# Altium PCB 2.PcbDoc (part 2 of 2) (continued)
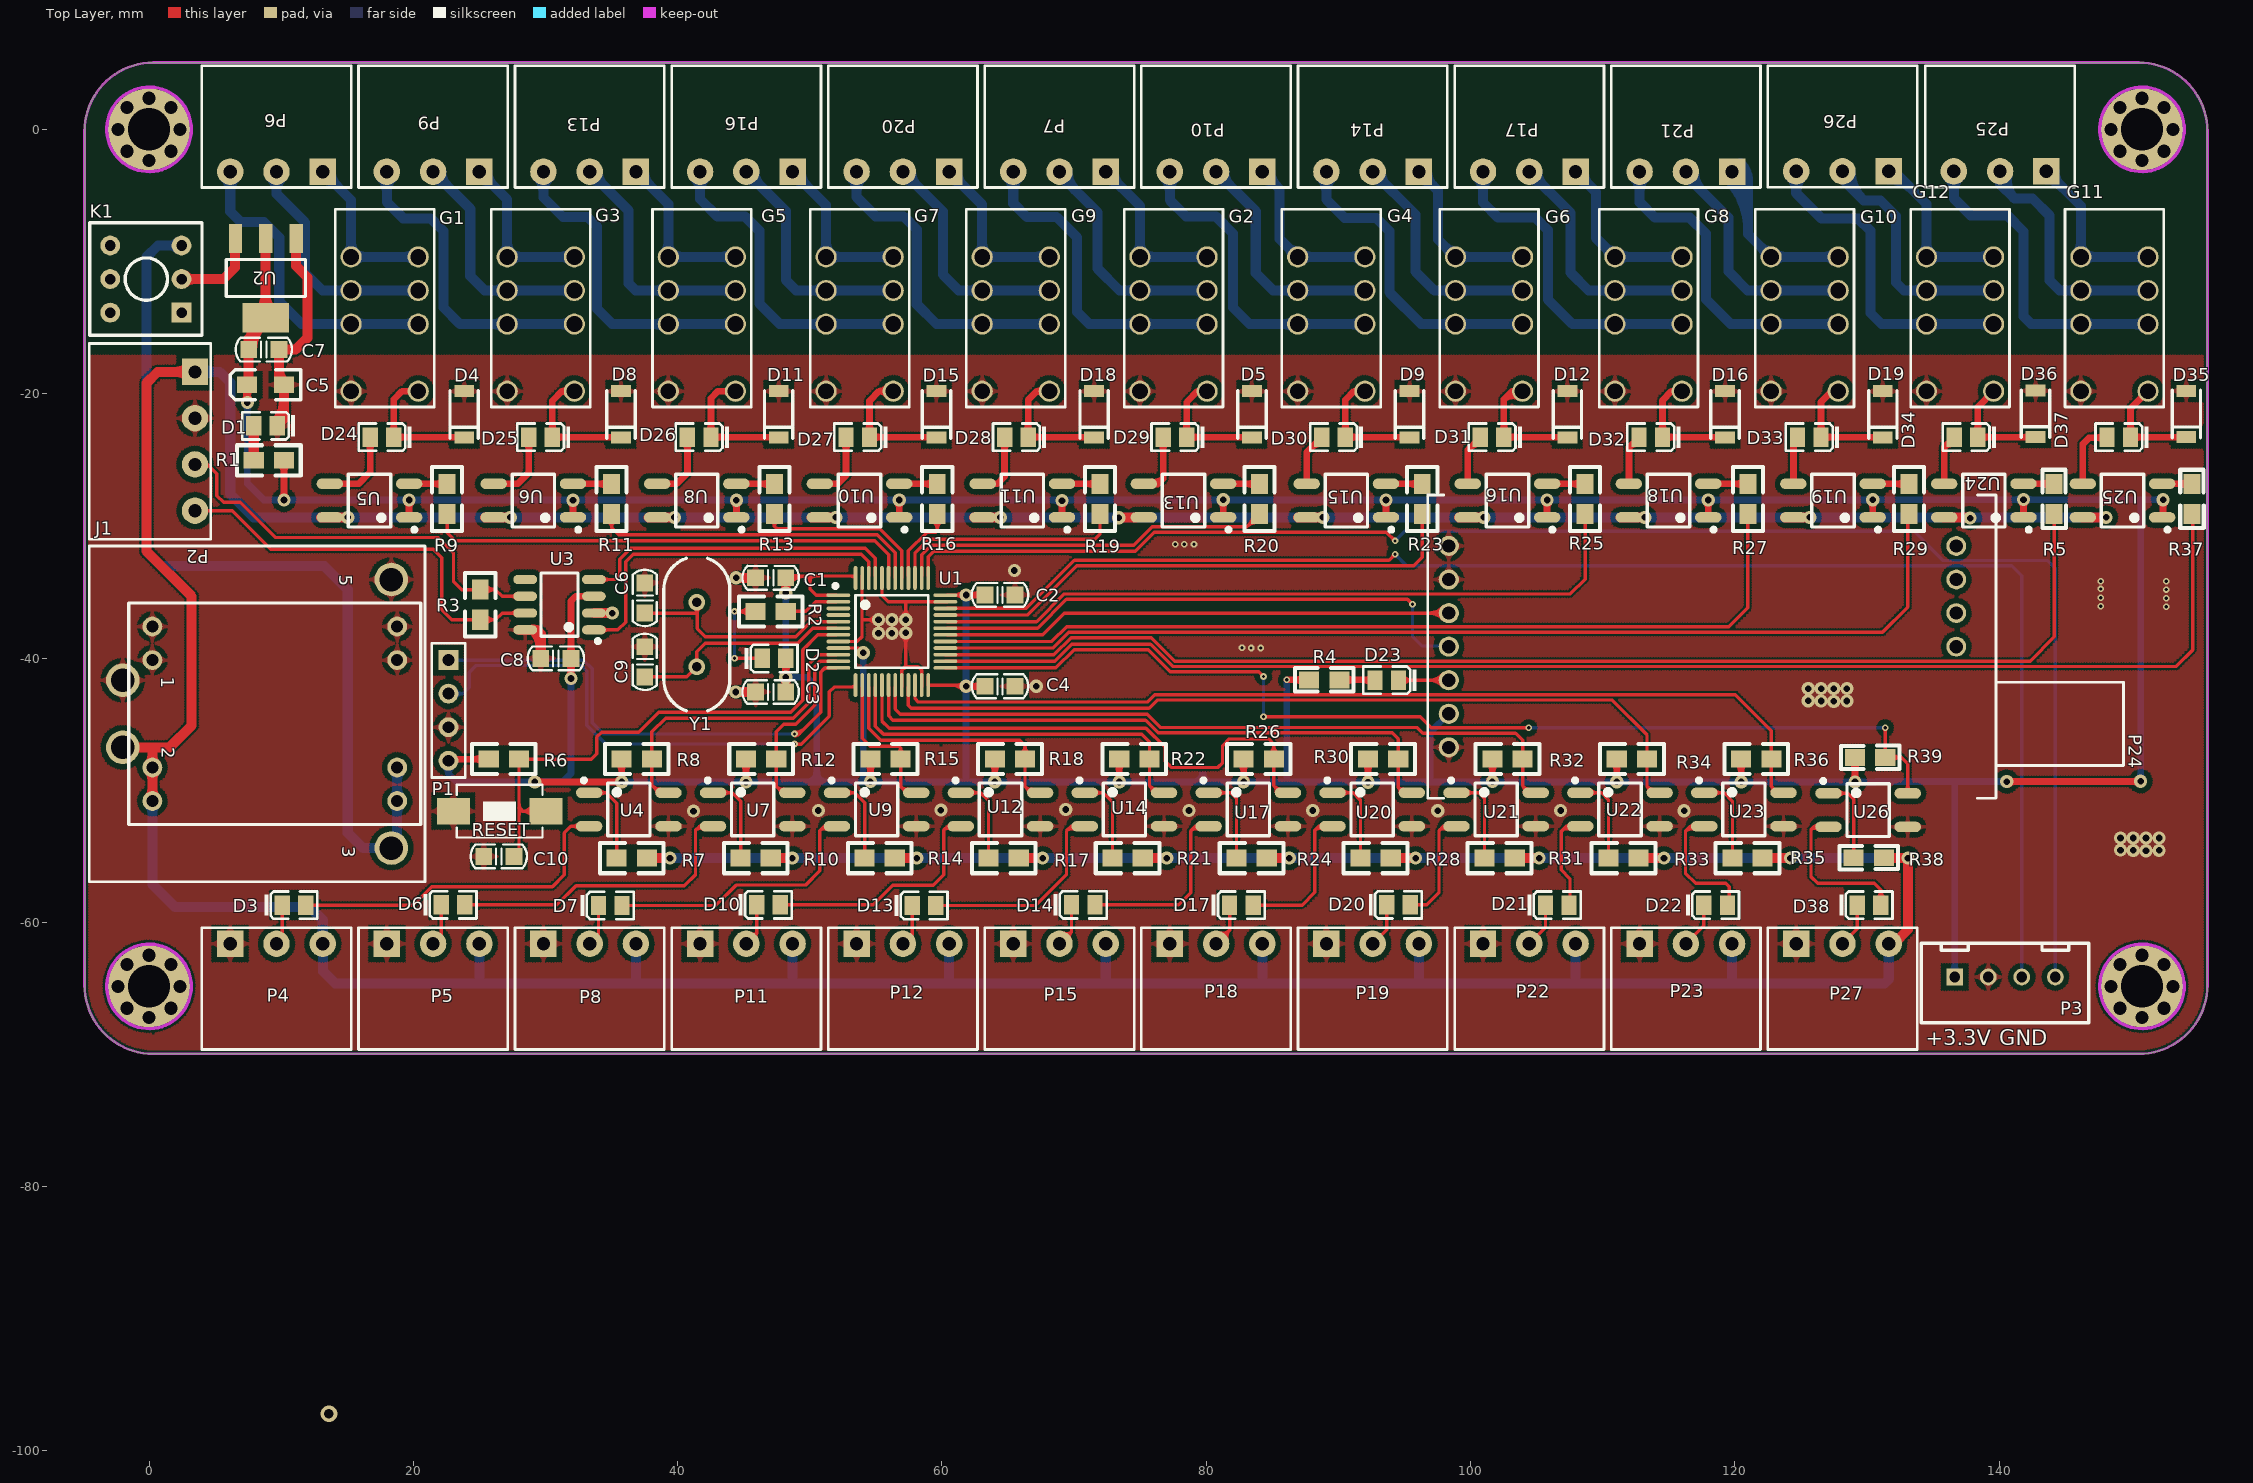
[diagram p0: Top Layer view]
## Nets (pads, with @x,y where several pads share a name; then routed paths per layer and width w, separated by ;. In a path a pad name is that pad's centre, name@x,y a point inside that pad or via, vN(x,y) a via of type N, cw(c..) or ccw(c..) an arc to the next point about the centre after c; other vN are vias at no path point) (continued)
OPEN_9: G10.5 G10.8 P21.1 | length 27.4
  Bottom Layer w0.762: P21.1@119.351,-3.638 cw(c115.382,-7.607) 120.995,-7.607 ; P21.1@119.89,-3.099 cw(c117.221,-5.768) 120.995,-5.768 ; P21.1@119.982,-3.789 cw(c120.292,-4.734) 120.995,-4.03 ; P21.1@120.165,-3.2 120.995,-4.03 ; P21.1@120.429,-2.56 cw(c119.061,-3.928) 120.995,-3.928 ; G10.5@122.314,-9.652 ccw(c121.302,-9.652) 122.018,-8.937 ccw(c122.733,-8.221) G10.5@122.733,-9.233 ; G10.5@123.029,-9.948 cw(c123.744,-10.664) 123.744,-9.652 cw(c123.744,-8.64) G10.5@123.029,-9.356 ; G10.8@127.517,-9.948 ccw(c126.801,-10.664) 126.801,-9.652 ccw(c126.801,-8.64) G10.8@127.517,-9.356 ; G10.8@127.813,-9.652 G10.5@122.733,-9.652 120.995,-7.914 120.995,-4.03
OPEN_10: G12.5 G12.8 P26.1 | length 19.2
  Bottom Layer w0.762: P26.1@131.638,-3.794 cw(c131.638,-6.208) 133.345,-4.501 ; P26.1@132.019,-3.175 134.493,-5.649 G12.5@134.493,-9.652 G12.8@139.573,-9.652 ; G12.5@134.197,-9.356 ccw(c133.481,-8.64) 134.493,-8.64 ccw(c135.505,-8.64) 134.789,-9.356 ccw(c135.505,-8.64) 135.505,-9.652 ccw(c135.505,-10.664) G12.5@134.789,-9.948 ; G12.8@139.277,-9.948 ccw(c138.561,-10.664) 138.561,-9.652 ccw(c138.561,-8.64) G12.8@139.277,-9.356
OPEN_11: G11.5 G11.8 P25.1 | length 20.4
  Bottom Layer w0.762: P25.1@143.561,-3.794 cw(c143.561,-5.288) 144.617,-4.232 cw(c145.674,-3.175) P25.1@144.18,-3.175 ; P25.1@144.221,-3.175 P25.1@143.561,-3.175 146.177,-5.791 G11.5@146.177,-9.652 G11.8@151.257,-9.652 ; G11.5@145.881,-9.356 ccw(c145.165,-8.64) 146.177,-8.64 ccw(c147.189,-8.64) 146.473,-9.356 ccw(c147.189,-8.64) 147.189,-9.652 ccw(c147.189,-10.664) G11.5@146.473,-9.948 ; G11.8@150.961,-9.948 ccw(c150.245,-10.664) 150.245,-9.652 ccw(c150.245,-8.64) G11.8@150.961,-9.356
U1_RX: P24.4 U1.31 | length 42.7
  Top Layer w0.254: U1.31@60.41,-37.748 67.23,-37.748 69.418,-35.56 95.225,-35.56 v2(95.606,-35.941) ; v2@95.483,-35.941 ccw(c95.186,-35.941) 95.396,-35.731 ccw(c95.606,-35.521) v2@95.606,-35.818
  Bottom Layer w0.254: v2@95.519,-36.028 cw(c95.309,-36.238) 95.606,-36.238 cw(c95.903,-36.238) v2@95.693,-36.028 ; v2(95.606,-35.941) 95.606,-38.379 96.317,-39.091 98.298,-39.091 P24.4@98.349,-39.141
U1_TX: P24.5 U1.30 | length 42.5
  Top Layer w0.254: U1.30@60.41,-38.248 67.619,-38.248 69.266,-36.601 P24.5@98.349,-36.601 ; P24.5@97.9,-37.05 ccw(c96.816,-38.134) 96.816,-36.601 ccw(c96.816,-35.068) P24.5@97.9,-36.152 ; P24.5@98.079,-36.871 ccw(c97.429,-37.521) 97.429,-36.601 ccw(c97.429,-35.682) P24.5@98.079,-36.332
U2_RX: P1.2 U1.13 | length 42.8
  Top Layer w0.254: v2@48.844,-46.522 49.348,-46.522 51.479,-44.391 51.479,-42.551 51.832,-42.198 U1.13@53.46,-42.198 ; v2@48.931,-46.594 cw(c49.105,-46.768) 49.105,-46.522 ; v2@48.931,-46.42 ccw(c49.177,-46.174) 49.177,-46.522 ; 53.067,-42.198 ccw(c53.067,-41.655) U1.13@53.451,-42.039
  Bottom Layer w0.254: P1.2@22.657,-42.697 23.749,-42.697 ; P1.2@23.193,-43.015 cw(c23.749,-43.343) 23.749,-42.697 ; P1.2@23.193,-42.38 ccw(c23.749,-42.052) 23.749,-42.697 ; v2@48.757,-46.594 ccw(c48.547,-46.804) 48.547,-46.507 ccw(c48.547,-46.21) v2@48.757,-46.42 ; v2(48.844,-46.507) 34.553,-46.507 33.122,-45.076 33.122,-40.986 32.699,-40.564 24.765,-40.564 24.232,-41.097 24.232,-42.215 23.749,-42.697
U2_TX: P1.1 U1.12 | length 40.7
  Top Layer w0.254: v2@48.844,-45.876 ccw(c48.844,-45.334) 49.228,-45.718 ; v2(48.844,-45.745) 49.2,-45.745 50.825,-44.12 50.825,-41.072 51.149,-40.748 U1.12@52.01,-40.748 ; v2@48.844,-45.622 ccw(c48.844,-44.467) 49.661,-45.284 ; v2@48.931,-45.832 cw(c49.141,-46.042) 49.141,-45.745 cw(c49.141,-45.448) v2@48.931,-45.658 ; 50.949,-40.948 cw(c51.4,-41.4) U1.12@51.4,-40.761
  Bottom Layer w0.254: P1.1@22.657,-40.157 32.868,-40.157 33.528,-40.818 33.528,-44.907 34.366,-45.745 v2(48.844,-45.745) ; v2@48.757,-45.832 ccw(c48.547,-46.042) 48.547,-45.745 ccw(c48.547,-45.448) v2@48.757,-45.658
VCC: J1.3 K1.3 | length 75.8
  Bottom Layer w0.762: K1.3@2.203,-9.049 ccw(c1.573,-9.679) 1.573,-8.788 ccw(c1.573,-7.898) K1.3@2.203,-8.527 ; K1.3@2.464,-8.788 0.686,-8.788 -0.203,-9.677 -0.203,-31.902 0.94,-33.045 13.259,-33.045 15.037,-34.823 15.037,-53.238 16.18,-54.381 J1.3@18.339,-54.381 18.778,-53.942 J1.3@18.778,-50.825 J1.3@18.778,-48.285 ; J1.3@18.517,-51.086 cw(c17.887,-51.716) 18.778,-51.716 cw(c19.669,-51.716) J1.3@19.039,-51.086 ; J1.3@18.517,-50.564 ccw(c17.887,-49.935) 18.778,-49.935 ccw(c19.669,-49.935) J1.3@19.039,-50.564 ; J1.3@18.517,-48.546 cw(c17.887,-49.176) 18.778,-49.176 cw(c19.669,-49.176) J1.3@19.039,-48.546
VCC3.3: C1.1 C2.1 C3.1 C4.1 C5.1 C7.2 C8.1 D2.A P1.4 P3.1 P24.2 R1.1 R4.1 R6.2 R8.2 R12.2 R15.2 R18.2 R22.2 R26.2 R30.2 R32.2 R34.2 R36.2 R39.2 U1.1 U1.9 U1.24 U1.36 U1.48 U2.2 U3.3 U5.1 U6.1 U8.1 U10.1 U11.1 U13.1 U15.1 U16.1 U18.1 U19.1 U24.1 U25.1 | length 613.5
  Top Layer w0.254: C1.1@48.184,-33.934 48.32,-33.798 50.013,-33.798 ; C1.1@48.363,-34.114 cw(c49.125,-34.876) 49.125,-33.798 ; C1.1@48.543,-34.294 cw(c49.739,-35.489) 49.739,-33.798 ; C1.1@48.543,-33.575 ccw(c49.082,-33.036) 49.082,-33.798 ; U1.9@52.01,-39.248 53.701,-39.248 v1(54.051,-39.599) ; U1.1@52.01,-35.248 50.488,-35.248 50.013,-34.773 50.013,-33.798 ; 53.067,-33.798 cw(c53.067,-34.342) U1.48@53.451,-33.958 ; U1.48@53.46,-33.798 50.013,-33.798 ; U1.24@58.96,-41.421 U1.24@58.96,-42.048 61.733,-42.048 v1(61.824,-42.139) ; U1.36@60.41,-35.248 C2.1@62.745,-35.248 ; 60.705,-42.048 cw(c60.705,-43.257) v1@61.56,-42.402 ; U1.36@60.878,-35.248 ccw(c60.878,-34.284) v1@61.56,-34.966 ; U1.36@60.968,-35.248 cw(c60.968,-36.085) v1@61.56,-35.494 ; 61.141,-42.048 ccw(c61.141,-41.456) v1@61.56,-41.875 ; 61.319,-42.048 cw(c61.319,-42.644) v1@61.739,-42.223 ; v1@61.975,-35.248 ccw(c61.975,-33.958) C2.1@62.887,-34.871 ; v1@62.064,-35.248 cw(c62.064,-36.411) C2.1@62.887,-35.589 ; v1@62.075,-35.505 cw(c62.434,-35.898) 62.572,-35.384 cw(c62.747,-34.731) v1@62.152,-35.053 ; v1@62.087,-35.494 cw(c62.679,-36.085) C2.1@62.679,-35.248 ; v1@62.092,-34.971 ccw(c62.745,-34.342) C2.1@62.745,-35.248 ; v1@62.098,-34.977 ccw(c62.413,-34.688) 62.524,-35.101 ccw(c62.675,-35.664) v1@62.156,-35.399 ; 62.588,-35.248 ccw(c62.588,-34.572) C2.1@63.066,-35.05 ; C2.1@62.789,-35.204 C2.1@62.745,-35.248
  Top Layer w0.508: C5.1@7.147,-19.599 cw(c6.436,-20.311) v1@7.442,-20.311 ; v1@7.244,-20.53 ccw(c6.708,-20.137) 7.35,-19.965 ; v1@7.268,-20.502 ccw(c6.848,-20.082) 7.442,-20.082 ccw(c8.036,-20.082) v1@7.616,-20.502 ; v1(7.442,-20.676) 7.442,-19.431 C5.1@7.544,-19.329 ; v1@7.442,-20.188 cw(c8.275,-20.188) C5.1@7.686,-19.599 ; 7.497,-19.983 ccw(c8.046,-20.13) v1@7.625,-20.511 ; R1.1@9.941,-25.314 cw(c9.291,-25.964) 10.211,-25.964 cw(c11.131,-25.964) R1.1@10.48,-25.314 ; v1@10.037,-27.868 ccw(c9.617,-27.448) 10.211,-27.448 ccw(c10.805,-27.448) v1@10.385,-27.868 ; v1(10.211,-28.042) R1.1@10.211,-25.044 ; v1@19.506,-28.22 cw(c19.086,-28.64) 19.68,-28.64 cw(c20.274,-28.64) v1@19.854,-28.22 ; U5.1@19.68,-29.362 v1(19.68,-28.046) ; P1.4@22.657,-47.777 22.784,-47.65 R6.2@25.705,-47.65 ; R6.2@25.308,-47.92 ccw(c24.658,-48.57) 24.658,-47.65 ccw(c24.658,-46.731) R6.2@25.308,-47.381 ; v1(29.185,-49.378) v1(35.763,-49.378) R8.2@35.763,-47.65 ; v1@29.359,-49.552 cw(c29.778,-49.971) 29.778,-49.378 cw(c29.778,-48.784) v1@29.359,-49.204 ; C8.1@31.658,-40.3 cw(c31.008,-40.95) 31.928,-40.95 cw(c32.848,-40.95) C8.1@32.197,-40.3 ; C8.1@31.658,-39.761 ccw(c31.008,-39.111) 31.928,-39.111 ccw(c32.848,-39.111) C8.1@32.197,-39.761 ; v1@31.754,-41.38 ccw(c31.334,-40.961) 31.928,-40.961 ccw(c32.522,-40.961) v1@32.102,-41.38 ; v1@31.906,-28.241 cw(c31.486,-28.661) 32.08,-28.661 cw(c32.674,-28.661) v1@32.254,-28.241 ; v1(31.928,-41.554) C8.1@31.928,-40.03 31.928,-35.687 32.283,-35.331 U3.3@33.664,-35.331 ; U6.1@32.08,-29.362 v1(32.08,-28.067) ; R8.2@35.494,-47.92 cw(c34.843,-48.57) 35.763,-48.57 cw(c36.683,-48.57) R8.2@36.033,-47.92 ; v1@35.589,-49.552 ccw(c35.169,-49.971) 35.169,-49.378 ccw(c35.169,-48.784) 35.589,-49.204 ccw(c35.169,-48.784) 35.763,-48.784 ccw(c36.357,-48.784) v1@35.937,-49.204 ; v1@44.271,-28.236 cw(c43.851,-28.656) 44.445,-28.656 cw(c45.039,-28.656) v1@44.619,-28.236 ; U8.1@44.445,-29.362 v1(44.445,-28.062) ; R12.2@44.906,-47.92 cw(c44.255,-48.57) 45.175,-48.57 cw(c46.095,-48.57) R12.2@45.445,-47.92 ; v1@45.001,-49.218 ccw(c44.581,-48.798) 45.175,-48.798 ccw(c45.769,-48.798) v1@45.349,-49.218 ; v1(45.175,-49.392) R12.2@45.175,-47.65 ; C3.1@47.914,-42.301 ccw(c47.264,-41.651) 48.184,-41.651 ccw(c49.104,-41.651) C3.1@48.453,-42.301 ; C1.1@47.914,-34.204 cw(c47.264,-34.854) 48.184,-34.854 cw(c49.104,-34.854) C1.1@48.453,-34.204 ; D2.A@47.954,-40.416 cw(c47.4,-40.97) v1@48.184,-40.97 ; v1@47.994,-41.609 cw(c47.634,-41.904) C3.1@48.084,-42.025 ; v1@47.994,-34.921 ccw(c47.621,-34.616) C1.1@48.086,-34.491 ; v1@48.007,-41.282 ccw(c47.634,-40.922) 48.135,-40.787 ; v1@48.01,-41.627 cw(c47.59,-42.047) 48.184,-42.047 cw(c48.778,-42.047) v1@48.358,-41.627 ; v1@48.01,-41.279 ccw(c47.59,-40.859) 48.184,-40.859 ccw(c48.778,-40.859) v1@48.358,-41.279 ; v1@48.01,-34.903 ccw(c47.59,-34.484) 48.184,-34.484 ccw(c48.778,-34.484) v1@48.358,-34.903 ; C3.1@48.184,-42.57 v1(48.184,-41.453) D2.A@48.185,-40.03 ; v1@48.184,-40.975 cw(c48.974,-40.975) D2.A@48.415,-40.416 ; v1(48.184,-35.077) C1.1@48.184,-33.934 ; 48.234,-40.787 ccw(c48.738,-40.922) v1@48.361,-41.283 ; C1.1@48.281,-34.491 ccw(c48.747,-34.616) v1@48.374,-34.921 ; C3.1@48.284,-42.025 cw(c48.734,-41.904) v1@48.374,-41.609 ; R15.2@54.318,-47.92 cw(c53.668,-48.57) 54.587,-48.57 cw(c55.507,-48.57) R15.2@54.857,-47.92 ; v1@54.413,-49.181 ccw(c53.994,-48.761) 54.587,-48.761 ccw(c55.181,-48.761) v1@54.761,-49.181 ; v1(54.587,-49.355) R15.2@54.587,-47.65 ; v1@56.59,-28.22 cw(c56.17,-28.64) 56.764,-28.64 cw(c57.358,-28.64) v1@56.938,-28.22 ; U10.1@56.764,-29.362 v1(56.764,-28.046) ; v1(61.824,-42.139) C4.1@63.246,-42.139 ; v1@61.998,-42.313 cw(c62.417,-42.732) 62.417,-42.139 cw(c62.417,-41.545) v1@61.998,-41.965 ; C4.1@62.977,-42.408 ccw(c62.326,-43.058) 62.326,-42.139 ccw(c62.326,-41.219) C4.1@62.977,-41.869 ; R18.2@63.73,-47.92 cw(c63.08,-48.57) 64,-48.57 cw(c64.919,-48.57) R18.2@64.269,-47.92 ; v1@63.826,-49.187 ccw(c63.406,-48.767) 64,-48.767 ccw(c64.593,-48.767) v1@64.173,-49.187 ; v1(64,-49.361) R18.2@64,-47.65 ; v1@68.909,-28.266 cw(c68.489,-28.686) 69.083,-28.686 cw(c69.677,-28.686) v1@69.257,-28.266 ; U11.1@69.083,-29.362 v1(69.083,-28.092) v1@69.083,-28.046 ; R22.2@73.142,-47.92 cw(c72.492,-48.57) 73.412,-48.57 cw(c74.331,-48.57) R22.2@73.681,-47.92 ; v1@73.238,-49.209 ccw(c72.818,-48.789) 73.412,-48.789 ccw(c74.006,-48.789) v1@73.586,-49.209 ; v1(73.412,-49.383) R22.2@73.412,-47.65 R22.2@73.457,-47.696 ; v1@81.101,-28.195 cw(c80.681,-28.615) 81.275,-28.615 cw(c81.869,-28.615) v1@81.449,-28.195 ; U13.1@81.275,-29.362 v1(81.275,-28.021) ; R26.2@82.554,-47.92 cw(c81.904,-48.57) 82.824,-48.57 cw(c83.744,-48.57) R26.2@83.093,-47.92 ; v1@82.65,-49.198 ccw(c82.23,-48.778) 82.824,-48.778 ccw(c83.418,-48.778) v1@82.998,-49.198 ; v1(82.824,-49.372) R26.2@82.824,-47.65 ; v2(86.081,-41.656) R4.1@87.782,-41.656 ; R4.1@87.386,-41.925 ccw(c86.736,-42.576) 86.736,-41.656 ccw(c86.736,-40.736) R4.1@87.386,-41.387 ; R30.2@91.966,-47.92 cw(c91.316,-48.57) 92.236,-48.57 cw(c93.156,-48.57) R30.2@92.505,-47.92 ; v1@92.062,-49.221 ccw(c91.642,-48.801) 92.236,-48.801 ccw(c92.83,-48.801) v1@92.41,-49.221 ; v1(92.236,-49.395) R30.2@92.236,-47.65 ; v1@93.42,-28.22 cw(c93,-28.64) 93.594,-28.64 cw(c94.188,-28.64) v1@93.768,-28.22 ; U15.1@93.594,-29.362 v1(93.594,-28.046) ; R32.2@101.379,-47.92 cw(c100.728,-48.57) 101.648,-48.57 cw(c102.568,-48.57) R32.2@101.917,-47.92 ; v1@101.474,-49.181 ccw(c101.054,-48.761) 101.648,-48.761 ccw(c102.242,-48.761) v1@101.822,-49.181 ; v1(101.648,-49.355) R32.2@101.648,-47.65 ; v1@105.612,-28.22 cw(c105.192,-28.64) 105.786,-28.64 cw(c106.38,-28.64) v1@105.96,-28.22 ; U16.1@105.786,-29.362 v1(105.786,-28.046) ; R34.2@110.791,-47.92 cw(c110.14,-48.57) 111.06,-48.57 cw(c111.98,-48.57) R34.2@111.329,-47.92 ; v1@110.886,-49.19 ccw(c110.466,-48.77) 111.06,-48.77 ccw(c111.654,-48.77) v1@111.234,-49.19 ; v1(111.06,-49.363) R34.2@111.06,-47.65 ; v1@117.804,-28.22 cw(c117.384,-28.64) 117.978,-28.64 cw(c118.572,-28.64) v1@118.152,-28.22 ; U18.1@117.978,-29.362 v1(117.978,-28.046) ; R36.2@120.203,-47.92 cw(c119.552,-48.57) 120.472,-48.57 cw(c121.392,-48.57) R36.2@120.742,-47.92 ; v1@120.298,-49.204 ccw(c119.878,-48.784) 120.472,-48.784 ccw(c121.066,-48.784) v1@120.646,-49.204 ; v1(120.472,-49.378) R36.2@120.472,-47.65 ; R39.2@128.813,-47.793 cw(c128.163,-48.443) 129.083,-48.443 cw(c130.003,-48.443) R39.2@129.352,-47.793 ; v1@128.909,-49.204 ccw(c128.489,-48.784) 129.083,-48.784 ccw(c129.677,-48.784) v1@129.257,-49.204 ; v1(129.083,-49.378) R39.2@129.083,-47.523 ; v1@130.25,-28.195 cw(c129.83,-28.615) 130.424,-28.615 cw(c131.018,-28.615) v1@130.598,-28.195 ; U19.1@130.424,-29.362 v1(130.424,-28.021) ; v1(140.564,-49.352) 150.647,-49.352 v1@150.749,-49.454 ; v1@140.738,-49.526 cw(c141.157,-49.946) 141.157,-49.352 cw(c141.157,-48.758) v1@140.738,-49.178 ; v1@141.66,-28.19 cw(c141.24,-28.61) 141.834,-28.61 cw(c142.427,-28.61) v1@142.008,-28.19 ; U24.1@141.834,-29.362 v1(141.834,-28.016) ; 150.043,-49.352 ccw(c150.043,-48.672) v1@150.524,-49.153 ; 150.166,-49.352 cw(c150.166,-49.859) v1@150.524,-49.501 ; U25.1@152.221,-29.259 ccw(c151.799,-28.837) 152.395,-28.837 ; v1@152.221,-28.195 cw(c151.801,-28.615) 152.395,-28.615 cw(c152.989,-28.615) v1@152.569,-28.195 ; U25.1@152.324,-29.362 152.395,-29.291 v1(152.395,-28.021)
  Top Layer w0.762: C5.1@7.544,-19.329 C7.2@7.544,-16.662 7.544,-15.846 ; U2.2@7.619,-14.69 cw(c6.923,-15.225) 7.544,-15.846 ; C7.2@7.798,-16.662 cw(c10.381,-16.662) U2.2@8.554,-14.836 ; U2.2@8.331,-13.744 ccw(c7.165,-12.578) 8.814,-12.578 ; 8.814,-12.455 ccw(c10.636,-12.455) U2.2@9.348,-13.744 ; U2.2@8.814,-7.826 8.814,-14.576 7.544,-15.846
  Bottom Layer w0.508: v1@7.268,-20.85 cw(c6.848,-21.269) 7.442,-21.269 cw(c8.036,-21.269) v1@7.616,-20.85 ; v1(7.442,-20.676) 7.442,-26.797 8.692,-28.046 v1(19.68,-28.046) v1(56.764,-28.046) 81.25,-28.046 v1@81.255,-28.042 ; 9.605,-28.046 ccw(c9.605,-27.436) v1@10.037,-27.868 ; 9.628,-28.046 cw(c9.628,-28.624) v1@10.037,-28.216 ; v1@10.385,-28.216 cw(c10.793,-28.624) 10.793,-28.046 ; v1@10.385,-27.868 ccw(c10.816,-27.436) 10.816,-28.046 ; v1@19.506,-28.22 ccw(c19.086,-28.64) 19.086,-28.046 ccw(c19.086,-27.452) v1@19.506,-27.872 ; v1@19.854,-28.22 cw(c20.274,-28.64) 20.274,-28.046 cw(c20.274,-27.452) v1@19.854,-27.872 ; P1.4@22.36,-48.175 cw(c21.916,-48.768) 22.657,-48.768 ; P1.4@22.657,-47.777 22.657,-48.768 ; P1.4@22.954,-48.175 ccw(c23.398,-48.768) 22.657,-48.768 ; v1@29.011,-49.552 ccw(c28.591,-49.971) 28.591,-49.378 ccw(c28.591,-48.784) v1@29.011,-49.204 ; v1@29.359,-49.552 cw(c29.84,-50.033) 29.84,-49.352 ; v1@29.359,-49.204 ccw(c29.717,-48.845) 29.717,-49.352 ; 31.437,-28.046 cw(c31.437,-28.711) v1@31.906,-28.241 ; 31.536,-28.046 ccw(c31.536,-27.523) v1@31.906,-27.893 ; v1@31.754,-41.728 cw(c31.334,-42.148) 31.928,-42.148 cw(c32.522,-42.148) v1@32.102,-41.728 ; v1(31.928,-41.554) 31.928,-48.743 31.318,-49.352 29.21,-49.352 v1(29.185,-49.378) 23.266,-49.378 22.657,-48.768 ; v1@32.254,-28.241 cw(c32.724,-28.711) 32.724,-28.046 ; v1@32.254,-27.893 ccw(c32.624,-27.523) 32.624,-28.046 ; v1(35.763,-49.378) 50.521,-49.378 ; v1@35.937,-49.552 cw(c36.357,-49.971) 36.357,-49.378 cw(c36.357,-48.784) v1@35.937,-49.204 ; 43.813,-28.046 cw(c43.813,-28.694) v1@44.271,-28.236 ; 43.89,-28.046 ccw(c43.89,-27.507) v1@44.271,-27.888 ; 44.547,-49.378 cw(c44.547,-50.02) v1@45.001,-49.566 ; 44.615,-49.378 ccw(c44.615,-48.832) v1@45.001,-49.218 ; v1@44.619,-28.236 cw(c45.077,-28.694) 45.077,-28.046 ; v1@44.619,-27.888 ccw(c45.001,-27.507) 45.001,-28.046 ; v1@45.349,-49.566 cw(c45.803,-50.02) 45.803,-49.378 ; v1@45.349,-49.218 ccw(c45.735,-48.832) 45.735,-49.378 ; v1@48.01,-41.279 ccw(c47.59,-40.859) 48.184,-40.859 ccw(c48.778,-40.859) 48.358,-41.279 ccw(c48.778,-40.859) 48.778,-41.453 ccw(c48.778,-42.047) v1@48.358,-41.627 ; v1@48.01,-35.251 cw(c47.59,-35.671) 48.184,-35.671 cw(c48.778,-35.671) v1@48.358,-35.251 ; v1(48.184,-35.077) v1(48.184,-41.453) 49.809,-41.453 50.521,-42.164 50.521,-49.378 ; v1@53.877,-39.773 cw(c53.457,-40.192) 54.051,-40.192 cw(c54.645,-40.192) v1@54.225,-39.773 ; v1(54.051,-39.599) 54.051,-49.225 53.899,-49.378 ; v1@54.761,-49.529 cw(c55.127,-49.894) 55.127,-49.378 ; v1@54.761,-49.181 ccw(c55.236,-48.707) 55.236,-49.378 ; v1@56.59,-28.22 ccw(c56.17,-28.64) 56.17,-28.046 ccw(c56.17,-27.452) v1@56.59,-27.872 ; v1@56.938,-28.22 cw(c57.358,-28.64) 57.358,-28.046 cw(c57.358,-27.452) v1@56.938,-27.872 ; v1@61.65,-42.313 cw(c61.23,-42.732) 61.824,-42.732 cw(c62.417,-42.732) v1@61.998,-42.313 ; v1@61.65,-41.965 ccw(c61.23,-41.545) 61.824,-41.545 ccw(c62.417,-41.545) v1@61.998,-41.965 ; v1@61.65,-35.404 cw(c61.23,-35.824) 61.824,-35.824 cw(c62.417,-35.824) v1@61.998,-35.404 ; v1(61.824,-35.23) v1(61.824,-42.139) 61.824,-49.276 61.925,-49.378 ; 63.365,-49.378 ccw(c63.365,-48.726) v1@63.826,-49.187 ; 63.447,-49.378 cw(c63.447,-49.914) v1@63.826,-49.535 ; v1@64.173,-49.535 cw(c64.553,-49.914) 64.553,-49.378 ; v1@64.173,-49.187 ccw(c64.634,-48.726) 64.634,-49.378 ; 68.378,-28.046 cw(c68.378,-28.797) v1@68.909,-28.266 ; v1@69.257,-28.266 cw(c69.788,-28.797) 69.788,-28.046 ; 72.804,-49.378 cw(c72.804,-49.991) v1@73.238,-49.557 ; 72.831,-49.378 ccw(c72.831,-48.803) v1@73.238,-49.209 ; v1@73.586,-49.557 cw(c74.019,-49.991) 74.019,-49.378 ; v1@73.586,-49.209 ccw(c73.992,-48.803) 73.992,-49.378 ; 79.305,-28.042 v1@81.255,-28.042 ; 80.62,-28.046 ccw(c80.62,-27.366) 81.101,-27.847 cw(c80.632,-27.377) 80.632,-28.042 ; 80.731,-28.042 cw(c80.731,-28.565) 81.101,-28.195 ccw(c80.743,-28.554) 80.743,-28.046 ; v1(81.275,-28.021) v1@81.255,-28.042 ; v1@81.449,-28.195 cw(c81.819,-28.565) 81.819,-28.042 ; v1@81.449,-27.847 ccw(c81.919,-27.377) 81.919,-28.042 ; 82.216,-49.378 ccw(c82.216,-48.764) v1@82.65,-49.198 ; 82.243,-49.378 cw(c82.243,-49.952) v1@82.65,-49.546 ; v1@82.998,-49.546 cw(c83.404,-49.952) 83.404,-49.378 ; v1@82.998,-49.198 ccw(c83.431,-48.764) 83.431,-49.378 ; v2(86.081,-41.656) 86.081,-49.352 86.055,-49.378 ; 91.601,-49.378 cw(c91.601,-50.029) v1@92.062,-49.568 ; 91.683,-49.378 ccw(c91.683,-48.842) v1@92.062,-49.221 ; v1@92.41,-49.568 cw(c92.871,-50.029) 92.871,-49.378 ; v1@92.41,-49.221 ccw(c92.789,-48.842) 92.789,-49.378 ; 92.989,-28.042 cw(c92.989,-28.652) v1@93.42,-28.22 ; 93.012,-28.042 ccw(c93.012,-27.464) v1@93.42,-27.872 ; v1@93.768,-28.22 cw(c94.2,-28.652) 94.2,-28.042 ; v1@93.768,-27.872 ccw(c94.177,-27.464) 94.177,-28.042 ; P24.2@98.349,-44.221 96.926,-45.644 96.926,-49.378 ; 101,-49.378 ccw(c101,-48.707) v1@101.474,-49.181 ; 101.109,-49.378 cw(c101.109,-49.894) v1@101.474,-49.529 ; v1@101.822,-49.529 cw(c102.187,-49.894) 102.187,-49.378 ; v1@101.822,-49.181 ccw(c102.296,-48.707) 102.296,-49.378 ; 105.181,-28.042 cw(c105.181,-28.652) v1@105.612,-28.22 ; 105.204,-28.042 ccw(c105.204,-27.464) v1@105.612,-27.872 ; v1@105.96,-28.22 cw(c106.392,-28.652) 106.392,-28.042 ; v1@105.96,-27.872 ccw(c106.369,-27.464) 106.369,-28.042 ; 110.432,-49.378 ccw(c110.432,-48.735) v1@110.886,-49.19 ; 110.5,-49.378 cw(c110.5,-49.923) v1@110.886,-49.537 ; v1@111.234,-49.537 cw(c111.62,-49.923) 111.62,-49.378 ; v1@111.234,-49.19 ccw(c111.688,-48.735) 111.688,-49.378 ; 117.373,-28.042 cw(c117.373,-28.652) v1@117.804,-28.22 ; 117.396,-28.042 ccw(c117.396,-27.464) v1@117.804,-27.872 ; v1@118.152,-28.22 cw(c118.584,-28.652) 118.584,-28.042 ; v1@118.152,-27.872 ccw(c118.561,-27.464) 118.561,-28.042 ; v1@120.298,-49.552 ccw(c119.878,-49.972) 119.878,-49.378 ccw(c119.878,-48.784) v1@120.298,-49.204 ; v1@120.646,-49.552 cw(c121.066,-49.972) 121.066,-49.378 cw(c121.066,-48.784) v1@120.646,-49.204 ; v1@128.909,-49.552 ccw(c128.489,-49.971) 128.489,-49.378 ccw(c128.489,-48.784) v1@128.909,-49.204 ; v1@129.257,-49.552 cw(c129.677,-49.971) 129.677,-49.378 cw(c129.677,-48.784) v1@129.257,-49.204 ; 129.781,-28.042 ccw(c129.781,-27.377) v1@130.25,-27.847 ; 129.88,-28.042 cw(c129.88,-28.565) v1@130.25,-28.195 ; v1@130.424,-28.042 v1@81.255,-28.042 ; v1(130.424,-28.021) 131.623,-28.021 ; v1@130.598,-28.195 cw(c131.018,-28.615) 131.018,-28.021 cw(c131.018,-27.427) v1@130.598,-27.847 ; 131.648,-28.046 131.623,-28.021 ; P3.1@136.357,-63.866 ccw(c135.707,-63.215) 136.627,-63.215 ccw(c137.546,-63.215) P3.1@136.896,-63.866 ; P3.1@136.627,-64.135 136.627,-49.428 136.703,-49.352 ; v1@140.39,-49.526 ccw(c139.97,-49.946) 139.97,-49.352 ccw(c139.97,-48.758) v1@140.39,-49.178 ; v1(140.564,-49.352) 137.16,-49.352 136.703,-49.352 ; 141.228,-28.021 ccw(c141.228,-27.411) v1@141.66,-27.842 ; 141.251,-28.021 cw(c141.251,-28.599) v1@141.66,-28.19 ; v1@142.008,-28.19 cw(c142.416,-28.599) 142.416,-28.021 ; v1@142.008,-27.842 ccw(c142.439,-27.411) 142.439,-28.021 ; v1@150.524,-49.153 ccw(c150.104,-48.733) 150.698,-48.733 ccw(c151.292,-48.733) v1@150.872,-49.153 ; v1(150.698,-49.327) 150.698,-28.046 150.724,-28.021 ; v1@152.221,-28.195 ccw(c151.801,-28.615) 151.801,-28.021 ccw(c151.801,-27.427) v1@152.221,-27.847 ; v1@152.4,-28.016 v1(152.395,-28.021) 150.724,-28.021 ; 50.521,-49.378 53.899,-49.378 ; 53.899,-49.378 61.925,-49.378 ; 53.939,-49.378 ccw(c53.939,-48.707) v1@54.413,-49.181 ; 53.939,-49.378 ccw(c53.939,-48.707) v1@54.413,-49.181 ; 53.939,-49.378 ccw(c53.939,-48.707) v1@54.413,-49.181 ; 54.048,-49.378 cw(c54.048,-49.894) v1@54.413,-49.529 ; 54.048,-49.378 cw(c54.048,-49.894) v1@54.413,-49.529 ; 54.048,-49.378 cw(c54.048,-49.894) v1@54.413,-49.529 ; 61.925,-49.378 86.055,-49.378 ; 86.055,-49.378 96.926,-49.378 ; 96.926,-49.378 v1(129.083,-49.378) 130.607,-49.378 130.632,-49.352 136.703,-49.352 ; 131.623,-28.021 150.724,-28.021
VCC24: J1.2 P2.1 P4.3 P5.3 P8.3 P11.3 P12.3 P15.3 P18.3 P19.3 P22.3 P23.3 P27.3 R7.2 R10.2 R14.2 R17.2 R21.2 R24.2 R28.2 R31.2 R33.2 R35.2 R38.2 U5.4 U6.4 U8.4 U10.4 U11.4 U13.4 U15.4 U16.4 U18.4 U19.4 U24.4 U25.4 | length 522.6
  Top Layer w0.762: J1.2@-1.981,-46.761 0.178,-46.761 ; J1.2@-0.007,-50.564 ccw(c-0.637,-49.935) 0.254,-49.935 ccw(c1.145,-49.935) J1.2@0.515,-50.564 ; J1.2@-0.007,-48.546 cw(c-0.637,-49.176) 0.254,-49.176 cw(c1.145,-49.176) J1.2@0.515,-48.546 ; J1.2@-0.007,-48.024 ccw(c-0.637,-47.395) 0.254,-47.395 ccw(c1.145,-47.395) J1.2@0.515,-48.024 ; J1.2@0.254,-50.825 J1.2@0.254,-48.285 0.254,-46.838 0.178,-46.761 ; P2.1@3.042,-18.792 ccw(c1.985,-19.849) 1.985,-18.354 ccw(c1.985,-16.86) P2.1@3.042,-17.917 ; P2.1@3.48,-18.354 0.645,-18.354 -0.203,-19.202 -0.203,-31.902 3.226,-35.331 3.226,-45.11 1.575,-46.761 0.178,-46.761 ; U5.4@13.03,-29.362 v1(15.037,-29.362) ; U6.4@25.43,-29.362 v1(27.33,-29.362) ; R7.2@37.668,-55.143 v1(39.421,-55.143) ; U8.4@37.795,-29.362 v1(39.751,-29.362) ; R10.2@47.049,-55.143 v1(48.666,-55.143) ; U10.4@50.114,-29.362 v1(51.968,-29.362) ; R14.2@56.43,-55.143 v1(58.09,-55.143) ; U11.4@62.433,-29.362 v1(64.414,-29.362) ; R17.2@65.811,-55.143 v1(67.615,-55.143) ; v1(73.381,-29.388) 73.406,-29.362 U13.4@74.625,-29.362 ; R21.2@75.192,-55.143 v1(77.013,-55.143) ; R24.2@84.574,-55.143 v1(86.284,-55.143) ; U15.4@86.944,-29.362 v1(88.824,-29.362) ; R28.2@93.955,-55.143 v1(95.834,-55.143) ; U16.4@99.136,-29.362 v1(100.99,-29.362) ; R31.2@103.336,-55.143 v1(105.181,-55.143) ; U18.4@111.328,-29.362 v1(113.182,-29.362) ; R33.2@112.717,-55.143 v1(114.63,-55.143) ; R35.2@122.098,-55.143 v1(124.206,-55.143) ; U19.4@123.774,-29.362 U19.4@124.424,-29.362 v1(125.654,-29.362) ; R38.2@131.267,-55.118 131.293,-55.143 v1(133.096,-55.143) 133.096,-60.543 132.019,-61.62 P27.3@131.638,-61.62 ; R38.2@131.574,-54.938 ccw(c132.069,-54.443) 132.069,-55.143 ; U24.4@135.834,-29.362 137.744,-29.362 v1(137.795,-29.413) ; U25.4@146.324,-29.362 v1(148.082,-29.362)
  Bottom Layer w0.762: J1.2@-0.007,-51.086 cw(c-0.637,-51.716) 0.254,-51.716 cw(c1.145,-51.716) J1.2@0.515,-51.086 ; J1.2@0.254,-50.825 0.254,-57.125 1.981,-58.852 12.167,-58.852 13.147,-59.832 P4.3@13.147,-61.62 ; P2.1@3.48,-18.354 5.35,-18.354 6.147,-19.152 6.147,-27.584 7.925,-29.362 v1(15.037,-29.362) v1(27.33,-29.362) v1(39.751,-29.362) v1(51.968,-29.362) v1(64.414,-29.362) v1(88.824,-29.362) v1(100.99,-29.362) v1(113.182,-29.362) v1(125.654,-29.362) v1(148.082,-29.362) ; P2.1@3.917,-18.792 cw(c4.974,-19.849) 4.974,-18.354 cw(c4.974,-16.86) P2.1@3.917,-17.917 ; P4.3@13.482,-61.62 13.157,-61.945 13.157,-63.703 14.072,-64.618 25.019,-64.618 ; P5.3@24.996,-61.62 24.996,-64.595 25.019,-64.618 ; P8.3@36.845,-61.62 36.845,-64.577 36.805,-64.618 ; v1(39.421,-55.143) v1(48.666,-55.143) v1(58.09,-55.143) v1(67.615,-55.143) 72.771,-55.143 ; P11.3@48.694,-61.62 48.694,-64.595 48.717,-64.618 ; P12.3@60.543,-61.62 60.543,-64.577 60.503,-64.618 ; P15.3@72.392,-61.62 72.392,-64.595 72.415,-64.618 ; 72.75,-55.164 72.771,-55.143 ; P18.3@84.241,-61.62 84.241,-64.582 84.277,-64.618 ; P19.3@96.091,-61.62 96.091,-64.463 95.936,-64.618 ; P22.3@107.94,-61.62 107.94,-64.526 107.848,-64.618 ; P23.3@119.789,-61.62 119.789,-64.518 119.888,-64.618 ; P27.3@131.638,-61.62 131.638,-64.298 131.318,-64.618 119.888,-64.618 ; v1(133.096,-55.143) v1(124.206,-55.143) v1(114.63,-55.143) v1(105.181,-55.143) v1(95.834,-55.143) v1(86.284,-55.143) v1(77.013,-55.143) 72.771,-55.143 ; 25.019,-64.618 36.805,-64.618 ; 36.805,-64.618 48.717,-64.618 ; 48.717,-64.618 60.503,-64.618 ; 60.503,-64.618 72.415,-64.618 ; 72.415,-64.618 84.277,-64.618 ; 84.277,-64.618 95.936,-64.618 ; 95.936,-64.618 97.104,-64.618 107.848,-64.618 ; 107.848,-64.618 119.888,-64.618
pads on no net: ?.1 K1.1 K1.4 K1.5 K1.6 P24.0 U1.3 U1.4 U3.5
copper on no net:
  other v3: 13.614,-97.18

## Polygon pours and split planes (outlines as drawn)
GND on Top Layer "Top Layer-No Net" (hatched 90Degree grid 0.2 track 0.2, remove dead copper, pour order 4): -4.902,-17.145 155.753,-17.145 155.753,-69.977 -4.953,-69.977 -4.877,-69.901 -4.877,-17.145
GND on Bottom Layer "Top Layer-No Net" (hatched 90Degree grid 0.2 track 0.2, remove dead copper, pour order 6): -4.877,-17.018 155.753,-17.018 155.753,-69.977 -4.953,-69.977 -4.877,-69.901 -4.877,-17.018

## Keep-outs
Keep-Out Layer:
  lines w0.2: 0.33,-69.952 cw(c0.33,-64.745) -4.877,-64.745 -4.877,-0.152 cw(c0.33,-0.152) 0.33,5.055 150.546,5.055 cw(c150.546,-0.152) 155.753,-0.152 155.753,-64.745 cw(c150.546,-64.745) 150.546,-69.952 ; 0.33,-69.945 127.914,-69.945 150.546,-69.945

## Silkscreen, mask and mechanical layers (free items; w line width, h text height)
Top Overlay:
  text "+3.3V" at 134.442,-69.723 h2
  text "GND" at 140.005,-69.723 h2
Bottom Overlay:
  text "CLOSE" at 55.067,1.041 h2
  text "COM" at 59.842,1.041 h2
  text "OPEN" at 65.532,1.041 h2
  text "+24V" at 1.397,-19.304 h2
  text "GND" at 1.549,-22.581 h2
  text "CAN_L" at 2.286,-26.289 h2
  text "CAN_H" at 2.261,-29.896 h2
  text "GND" at 7.518,-63.424 h2 r90
  text "+24V" at 14.478,-63.475 h2 r90
  text "IO板V1.2-20170217" at 119.939,-65.43 h2
  text "http://www.chenghe.info/" at 122.174,-68.021 h2

## Text inside footprints (layer, text, board x,y; h text height)
J1: Top Overlay "5" at 14.376,-33.706 h1 r270; Top Overlay "3" at 14.63,-54.254 h1 r270; Top Overlay "2" at 0.965,-46.736 h1 r270; Top Overlay "1" at 0.914,-41.402 h1 r270